# Allegro board C000PD020-3399PRO-DMEB-A-A01.brd (continued)
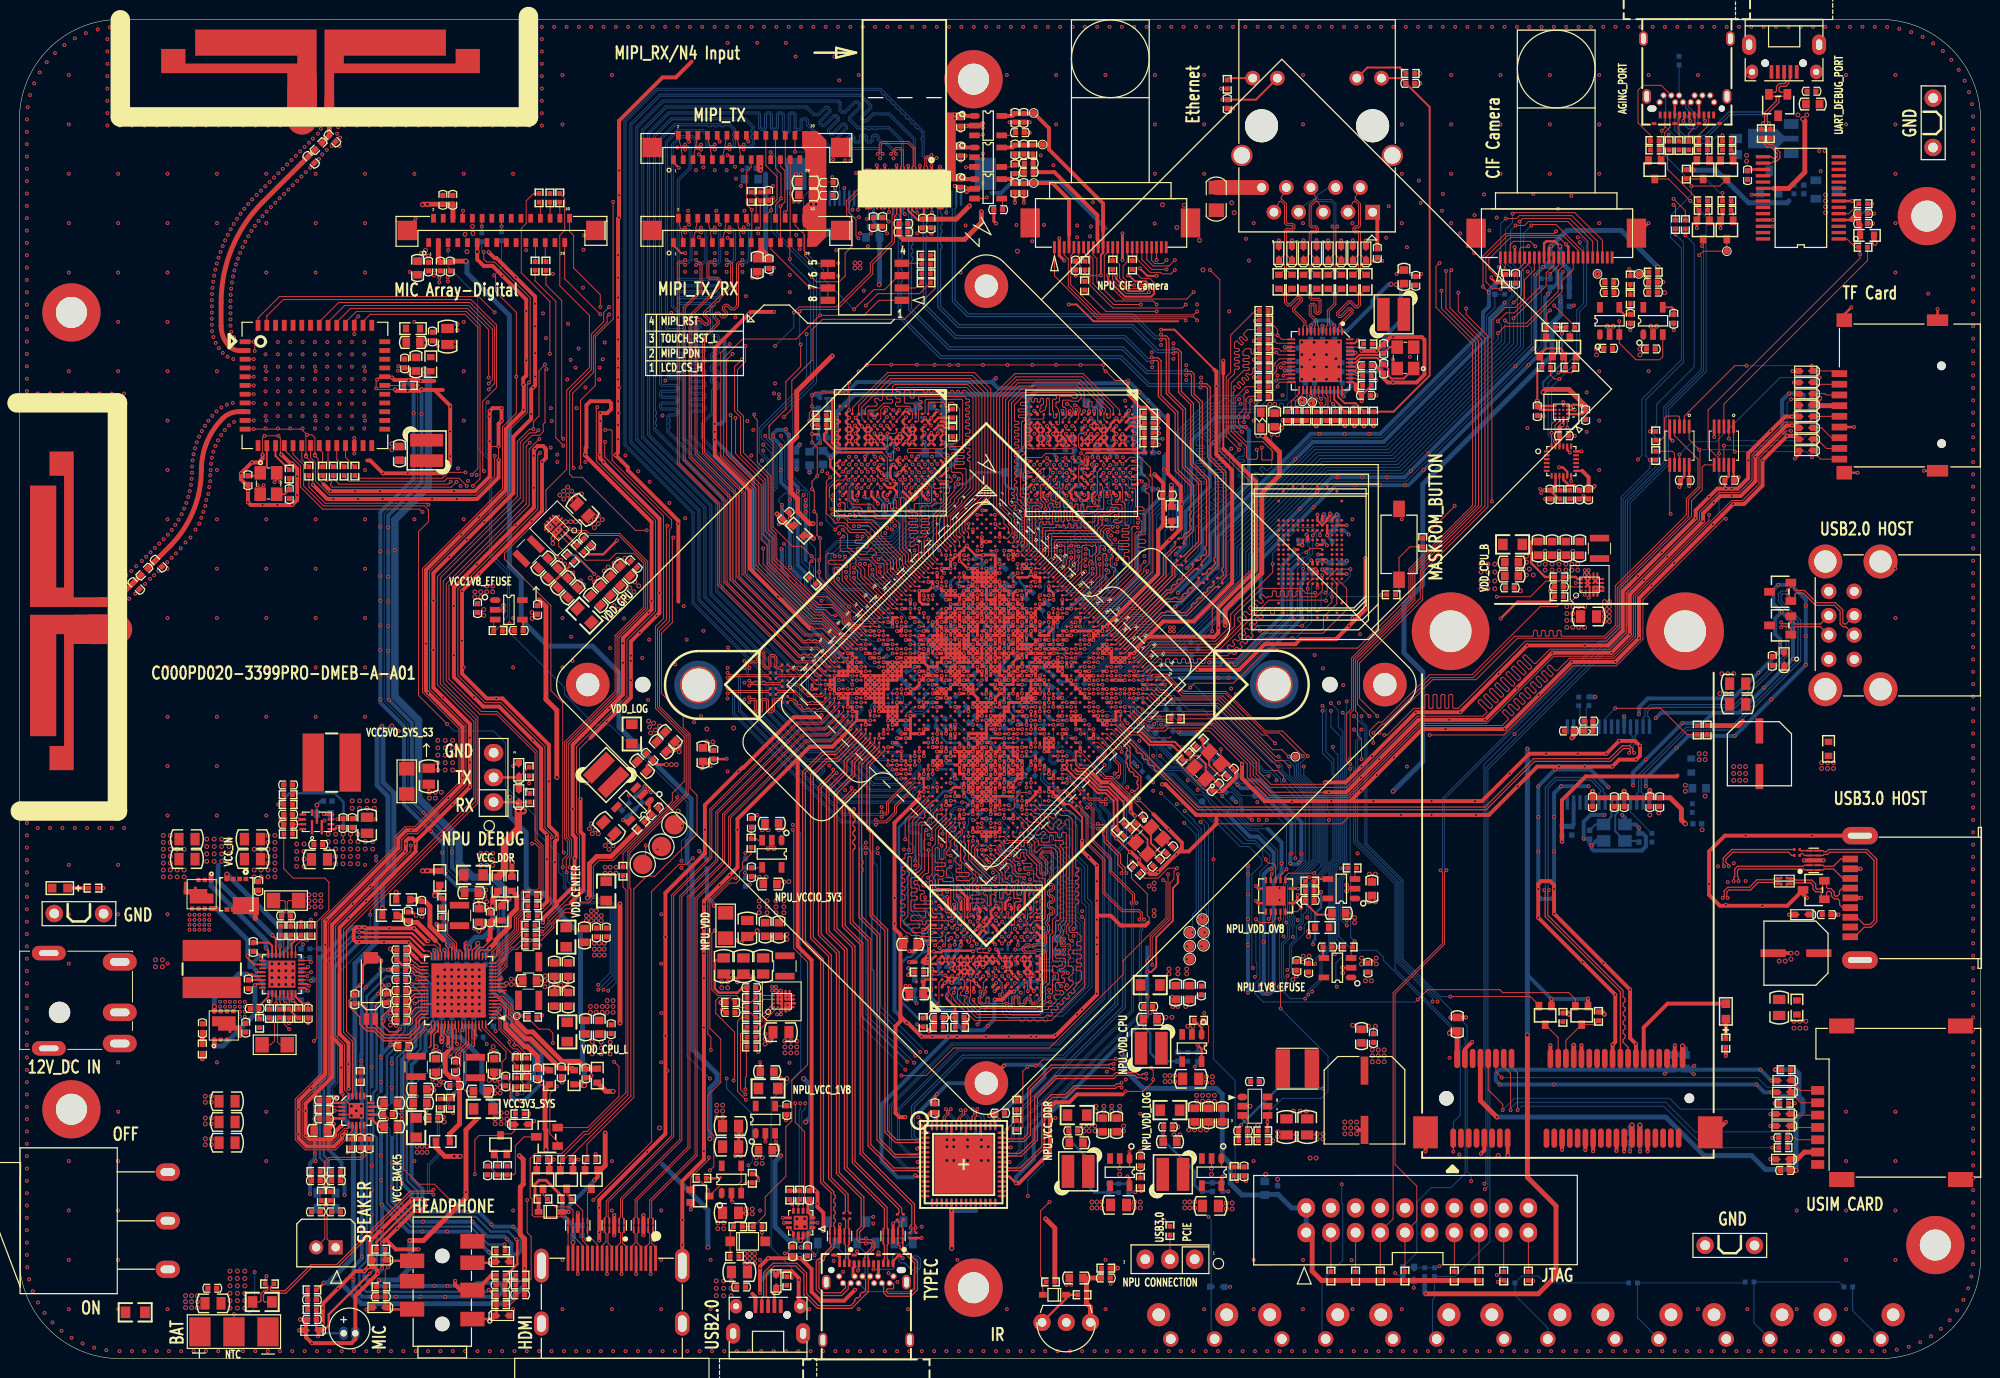
[diagram p0: board, top side]
## Nets (continued)
NPU_TSADC_SHUT_H: D2100.1(A1) U1000.AA31(NPU_TSADC_SHUT_Z)
NPU_UART2_RX: R1308.1 U1000.AK22(NPU_UART2_RX_U)
NPU_UART2_TX: R1307.1 U1000.AJ22(NPU_UART2_TX_U)
NPU_VCC1V8_EFUSE: C1080.1 C9604.1 C9605.1 R1000.1 U1000.AK34(NPU_EFUSE_VQPS) U9601.5(OUT)
NPU_VCC_1V8_P: R2250.1 U2207.5(OUT)
NPU_VCC_1V8_S3: C1072.1 C1115.1 C1116.1 C1118.1 C1120.1 C1303.1 C1417.1 C2257.1 C3108.1 C3109.1 C3110.1 C3111.1 C3112.1 C9926.1 R1123.1 R1130.2 R1131.2 R2250.2 R9822.2 R9823.2 R9825.1 R9830.2 U1000.AF29(NPU_PMUIO1_VDD_1V8) U1000.AF31(NPU_PPLL_AVDD_1V8) U1000.AF32(NPU_OSC_VDD_1V8) U1000.AF33(NPU_USB30/PCIE_VCCA_1V8) U1000.AG27(NPU_VCCIO2) U1000.AG29(NPU_PMUIO2_VDD) U1000.AH31(NPU_PLL_AVDD_1V8) U1000.AK24(NPU_ADC_AVDD_1V8) U1000.AP27(NPU_VCCIO5) U1300.1(VCCB) U1300.9(OE) U3100.A3(VDD1_1) U3100.A4(VDD1_2) U3100.A5(VDD1_3) U3100.A6(VDD1_4) U3100.A10(VDD1_5) U3100.U3(VDD1_6) U3100.U4(VDD1_7) U3100.U5(VDD1_8) U3100.U6(VDD1_9) U3100.U10(VDD1_10)
NPU_VCC_DDR_P: C2229.1 C2230.1 C2231.1 L2204.2 R2215.1 R2219.1
NPU_VCC_DDR_S3: C1226.1 C1227.1 C1228.1 C1229.1 C1230.1 C1231.1 C1232.1 C1233.1 C1234.1 C1235.1 C2232.1 C2233.1 C3100.1 C3101.1 C3102.1 C3103.1 C3104.1 C3105.1 C3106.1 C3107.1 C3113.1 C3114.1 C3119.1 C3120.1 C3121.1 C3122.1 C3123.1 C3124.1 C3125.1 C3126.1 R2215.2 R3102.1 R3103.1 U1000.AM35(NPU_DDR_VDD_1) U1000.AN35(NPU_DDR_VDD_2) U1000.AP29(NPU_DDR_VDD_8) U1000.AP35(NPU_DDR_VDD_3) U1000.AR30(NPU_DDR_VDD_7) U1000.AR32(NPU_DDR_VDD_6) U1000.AR33(NPU_DDR_VDD_5) U1000.AR34(NPU_DDR_VDD_4) U3100.A8(VDD2_20) U3100.A9(VDD2_19) U3100.A11(VDDQ_17) U3100.C12(VDDQ_16) U3100.D4(VDD2_18) U3100.D5(VDD2_17) U3100.D6(VDD2_16) U3100.E8(VDDQ_15) U3100.E12(VDDQ_14) U3100.F2(VDDCA5) U3100.G2(VDDCA4) U3100.G5(VDD2_15) U3100.G12(VDDQ_13) U3100.H3(VDDCA3) U3100.H5(VDD2_14) U3100.H6(VDD2_13) U3100.H8(VDDQ_12) U3100.H9(VDDQ_11) U3100.H11(VDDQ_10) U3100.H12(VDD2_12) U3100.J5(VDD2_11) U3100.J6(VDD2_10) U3100.J9(VDDQ_9) U3100.J10(VDDQ_8) U3100.K5(VDD2_9) U3100.K6(VDD2_8) U3100.K8(VDDQ_7) U3100.K11(VDDQ_6) U3100.K12(VDD2_7) U3100.L2(VDDCA2) U3100.L5(VDD2_6) U3100.L12(VDDQ_5) U3100.M2(VDDCA1) U3100.N8(VDDQ_4) U3100.N12(VDDQ_3) U3100.P4(VDD2_5) U3100.P5(VDD2_4) U3100.P6(VDD2_3) U3100.R12(VDDQ_2) U3100.U8(VDD2_2) U3100.U9(VDD2_1) U3100.U11(VDDQ_1)
NPU_VCCIO_3V3_S3: C1304.1 C1419.1 C2243.1 R1410.2 U1000.AJ25(NPU_VCCIO6) U1000.AK33(NPU_USB20_AVDD_3V3) U2208.5(OUT)
NPU_VDD_0V8: C9943.1 R9829.1 U1000.AJ33(NPU_USB20_AVDD_0V8)
NPU_VDD_0V8_P: C2227.1 C2234.1 R2214.1 R2217.1 U2204.5(FB/OUT)
NPU_VDD_0V8_S3: C1117.1 C1119.1 C1416.1 R2214.2 R9824.1 R9829.2 U1000.AF30(NPU_PMU_VDD_0V8) U1000.AG30(NPU_PPLL_AVDD_0V8) U1000.AG32(NPU_USB30/PCIE_VDDREF_0V8) U1000.AG33(NPU_USB30/PCIE_VCCD_0V8) U1000.AH33(NPU_USB30/PCIE_VCCA_0V8) U1000.AJ31(NPU_PLL_AVDD_0V8)
NPU_VDD_1V8: C1418.1 R9830.1 U1000.AL33(NPU_USB20_AVDD_1V8)
NPU_VDD_CPU_P: C2213.1 C2214.1 C2215.1 L2202.2 R2206.1 R2209.1
NPU_VDD_CPU_S0: C1069.1 C1070.1 C1071.1 C2216.1 C2217.1 R2206.2 U1000.AH30(NPU_CPU_VDD_1) U1000.AJ30(NPU_CPU_VDD_2)
NPU_VDD_FB: C2278.1 R2225.1 U1000.AM28(NPU_CORE_VDD_COM) U2206.A4(VOUT)
NPU_VDD_LOG_P: C2219.1 C2220.1 C2221.1 L2203.2 R2207.1 R2211.1
NPU_VDD_LOG_S3: C1055.1 C1056.1 C1057.1 C1058.1 C2222.1 C2223.1 R2207.2 U1000.AK31(NPU_LOGIC_VDD_3) U1000.AL31(NPU_LOGIC_VDD_2) U1000.AM31(NPU_LOGIC_VDD_4) U1000.AN31(NPU_LOGIC_VDD_1)
NPU_VDD_P: C2238.1 C2249.1 C2250.1 C2278.2 L2205.2 R2222.1 R2225.2
NPU_VDD_S0: C1059.1 C1060.1 C1061.1 C1062.1 C1063.1 C1064.1 C1065.1 C1066.1 C1067.1 C1068.1 C1073.1 C2239.1 R2222.2 U1000.AH27(NPU_CORE_VDD_1) U1000.AJ27(NPU_CORE_VDD_2) U1000.AJ28(NPU_CORE_VDD_6) U1000.AK27(NPU_CORE_VDD_3) U1000.AK28(NPU_CORE_VDD_7) U1000.AL27(NPU_CORE_VDD_4) U1000.AL28(NPU_CORE_VDD_8) U1000.AM27(NPU_CORE_VDD_5)
NPU_VDD_SLEEP_H: R2253.1 U1000.U33(NPU_GPIO0_C6_D)
NPU_VERFO_DDR: R3105.2 R3110.1 U1000.AR29(NPU_DDR_VREFO)
NPU_VREFCA_DDR: C3113.2 C3115.1 C3116.1 R3102.2 R3106.1 R3110.2 U3100.H4(DDR_VREFCA)
NPU_VREFDQ_DDR: C3118.1 R3104.2 R3105.1 U3100.J11(DDR_VREFDQ)
OTG_DM_S1: U2102.48(DA2(P)) U9705.53(DA0(N))
OTG_DM_S2: R1407.2 U9705.3(DC0(N))
OTG_DP_S1: U2102.47(DA2(N)) U9705.54(DA0(P))
OTG_DP_S2: R1406.2 U9705.2(DC0(P))
OTG_ID: ED2600.1 J2601.4(ID) R2614.1
PCIE_DISABLE_3V3_L: J8300.20(W_DISABLE#(I)(3.3V)) Q8301.3(DRAIN) R8304.2
PCIE_DISABLE_L: Q8301.2(SOURCE) U1000.H37(GPIO0_B3_D)
PCIE_PERST_3V3_L: J8300.22(PERST#(I)(3.3V)) Q8300.3(DRAIN) R8302.2
PCIE_PERST_L: Q8300.2(SOURCE) U1000.H38(GPIO0_B2_D)
PCIE_PWREN_H: R8309.1 U1000.D36(GPIO1_D0_D) U8300.4(EN)
PCIE_REF_CLKN: C9932.2 U1000.P37(PCIE_RCLK_100M_N)
PCIE_REF_CLKP: C9931.2 U1000.P36(PCIE_RCLK_100M_P)
PCIE_RX0N: U1000.P39(PCIE_RX0_N) U9705.38(DB1(P))
PCIE_RX0N_S1: U2102.50(DA1(N)) U9705.51(DA1(P))
PCIE_RX0N_S2: C1421.2 U9705.5(DC1(P))
PCIE_RX0P: U1000.P40(PCIE_RX0_P) U9705.37(DB1(N))
PCIE_RX0P_S1: U2102.51(DA1(P)) U9705.50(DA1(N))
PCIE_RX0P_S2: C1420.2 U9705.6(DC1(N))
PCIE_RX1N: C9927.2 U1000.U36(PCIE_RX1_N)
PCIE_RX1P: C9928.2 U1000.U37(PCIE_RX1_P)
PCIE_TX0N: U1000.R37(PCIE_TX0_N) U9705.34(DB2(N))
PCIE_TX0N_S1: U2102.54(DA0(P)) U9705.47(DA2(N))
PCIE_TX0N_S2: C1423.2 U9705.9(DC2(N))
PCIE_TX0P: U1000.R36(PCIE_TX0_P) U9705.35(DB2(P))
PCIE_TX0P_S1: U2102.53(DA0(N)) U9705.48(DA2(P))
PCIE_TX0P_S2: C1422.2 U9705.8(DC2(P))
PCIE_TX1N: C9930.2 U1000.R39(PCIE_TX1_N)
PCIE_TX1P: C9929.2 U1000.R40(PCIE_TX1_P)
PCIE_WAKE_3V3_L: J8300.1(WAKE#(O)(OD)) R8301.2
PCIE_WAKE_L: R8301.1 U1000.K32(GPIO1_C7_D)
PHONE_DET_H: C7002.1 ED7002.1 J7000.5 R7003.2 U1000.L35(GPIO0_B5_D)
PHY_CLKOUT125: R6510.2 U6500.46(CLK125)
PHY_INT: R6527.2 U1000.F23(MAC_RXER/I2C5_SDA/GPIO3_B2_U) U6500.20(INTB)
PHY_PMEB: R6526.2 U1000.E29(MAC_COL/UART3_CTSN/SPDIF_TX/GPI) U6500.33(PMEB)
PHY_RST: C6512.1 U1000.E30(MAC_CRS/UART3_TX/CIF_CLKOUTB/GP) U6500.29(PHYRSTB)
PHY_RXCLK: C6520.1 R6539.1 U6500.19(RXC)
PHY_RXD0: R6529.2 R6535.1 U6500.14(RXD0/SELRGV)
PHY_RXD1: R6524.1 R6525.2 R6536.1 U6500.16(RXD1/TXDLY)
PHY_RXD2: R6518.2 R6519.1 R6537.1 U6500.17(RXD2/AN0)
PHY_RXD3: R6520.1 R6521.2 R6538.1 U6500.18(RXD3/AN1)
PHY_RXDV: R6511.1 R6512.2 R6540.1 U6500.13(RXCTL/PHYAD2)
PHY_TXCLK: U1000.G27(MAC_TXCLK/UART3_RTSN/GPIO3_C1_U) U6500.22(TXC)
PHY_TXD0: R6530.2 U1000.D26(MAC_TXD0/SPI0_RXD/GPIO3_A4_D) U6500.23(TXD0)
PHY_TXD1: R6531.2 U1000.G23(MAC_TXD1/SPI0_TXD/GPIO3_A5_D) U6500.24(TXD1)
PHY_TXD2: R6532.2 U1000.F24(MAC_TXD2/SPI4_RXD/GPIO3_A0_D) U6500.25(TXD2)
PHY_TXD3: R6533.2 U1000.H24(MAC_TXD3/SPI4_TXD/GPIO3_A1_D) U6500.26(TXD3)
PHY_TXEN: TP1800.1 U1000.H23(MAC_TXEN/UART1_RX/GPIO3_B4_U) U6500.27(TXCTL)
PHY_XTAL1: C6500.1 U6500.42(CKXTAL1) Y6500.1(X1)
PHY_XTAL2: C6501.1 U6500.43(CKXTAL2) Y6500.3(X2)
PMIC_INT_L: TP2100.1 U1000.A38(SPI3_CSN0/GPIO1_C2_U) U?.7(INT)
PMIC_SLEEP_H: TP2102.1 U1000.B40(AP_PWROFF/GPIO1_A5_D) U?.49(SLEEP)
PORT_CEC: J8200.13 Q8202.3(DRAIN) U8200.1(IO1) U8200.10(NC_10)
PORT_HPD: J8200.19 R1701.2 U8200.5(IO4) U8200.6(NC_6)
PWRON: C2143.1 ED2101.1 Q9705.3(DRAIN) SW2101.2 U?.52(PWRON)
RECOVERY: Q9703.3(DRAIN) R1501.2 SW1500.2
REFCLK_OUT: C1130.2 U1000.W40(REF_CLKO/GPIO0_A2_D)
REGOUT: L6501.1 U6500.48(REGOUT)
RESET_L: C1100.2 C2142.1 ED2100.1 Q2100.3(DRAIN) Q9706.3(DRAIN) R2128.2 SW2100.2 TP1100.1 U1000.J40(NPOR) U?.67(RESETB)
RREF: R2800.2 U2800.4(RREF)
RSET: R6517.1 U6500.39(RSET)
SBU1: J9702.A8(SBU1) R9714.1
SDIO0_CLK: R6111.2 U1000.AG7(SDIO0_CLKOUT/TEST_CLKOUT1/GPIO2)
SDIO0_CMD: R6110.2 U1000.AF7(SDIO0_CMD/GPIO2_D0_U)
SDIO0_D0: R6106.2 U1000.AD8(SDIO0_D0/SPI5_RXD/GPIO2_C4_U)
SDIO0_D1: R6107.2 U1000.AK6(SDIO0_D1/SPI5_TXD/GPIO2_C5_U)
SDIO0_D2: R6108.2 U1000.AG8(SDIO0_D2/SPI5_CLK/GPIO2_C6_U)
SDIO0_D3: R6109.2 U1000.AE8(SDIO0_D3/SPI5_CSN0/GPIO2_C7_U)
SDIO_CLK: R6111.1 U6100.18(SDIO_DATA_CLK)
SDIO_CMD: R6110.1 U6100.17(SDIO_DATA_CMD)
SDIO_D0: R6106.1 U6100.21(SDIO_DATA_0)
SDIO_D1: R6107.1 U6100.22(SDIO_DATA_1)
SDIO_D2: R6108.1 U6100.20(SDIO_DATA_2)
SDIO_D3: R6109.1 U6100.19(SDIO_DATA_3)
SDMMC0_CLK: R9100.1 U1000.G40(SDMMC0_CLKOUT/MCUJTAG_TCK/GPIO4)
SDMMC0_CMD: ED9104.1 J9100.3(CMD) U1000.H40(SDMMC0_CMD/MCUJTAG_TMS/GPIO4_B5)
SDMMC0_D0: ED9102.1 J9100.7(DATA0) U9702.2(HSD1+)
SDMMC0_D0/UART2_RX: U1000.P32(SDMMC0_D0/UART2A_RX/GPIO4_B0_U) U9702.4(D+)
SDMMC0_D1: ED9101.1 J9100.8(DATA1) U9702.8(HSD1-)
SDMMC0_D1/UART2_TX: U1000.P31(SDMMC0_D1/UART2A_TX/GPIO4_B1_U) U9702.6(D-)
SDMMC0_D2: ED9106.1 J9100.1(DATA2) U9704.2(HSD1+)
SDMMC0_D2/JTAG_TCK: U1000.M34(SDMMC0_D2/APJTAG_TCK/GPIO4_B2_U) U9704.4(D+)
SDMMC0_D3: ED9105.1 J9100.2(CD/DATA3) U9704.8(HSD1-)
SDMMC0_D3/JTAG_TMS: U1000.H39(SDMMC0_D3/APJTAG_TMS/GPIO4_B3_U) U9704.6(D-)
SDMMC0_DET_L: ED9100.1 J9100.9(CD) U1000.M35(SDMMC0_DET/GPIO0_A7_U) U9702.1(S) U9704.1(S)
SDMMC0_VDDPST: C1601.1 U1000.R26(SDMMC0_VDDPST)
SNSN: C2131.2 R2037.2 U?.63(SNSN)
SNSP: BT2000.3(V-) C2131.1 R2035.1 U?.62(SNSP)
SPI1_CLK: TP1304.1 U1000.G36(SPI1_CLK/PMCU_JTAG_TCK/GPIO1_B1) U1300.6(A4)
SPI1_CS0: TP1303.1 U1000.H35(SPI1_CSN0/PMCU_JTAG_TMS/GPIO1_B) U1300.5(A3)
SPI1_RXD: TP1302.1 U1000.F37(SPI1_RXD/UART4_RX/GPIO1_A7_U) U1300.4(A2)
SPI1_TXD: TP1301.1 U1000.B39(SPI1_TXD/UART4_TX/GPIO1_B0_U) U1300.3(A1)
SPK1_N: C7515.2 C7519.2 R7514.2 R7517.2
SPK1_P: C7514.2 C7518.1 R7513.2 R7516.1
SPKN_OUT: C7004.1 FB2100.2 J7001.1 R7514.1
SPKP_OUT: C7006.1 FB2101.2 J7001.2 R7513.1
SW1: L2100.1 U?.12(SW1)
SW2: L2102.1 U?.9(SW2)
SW3: L2103.1 U?.25(SW3)
SW4: L2101.1 U?.65(SW4)
TCK: R9715.1 U9704.3(HSD2+)
TMS: R9717.1 U9704.7(HSD2-)
TOUCH_INT_L: J5000.25(TP_INT) J5100.25(TP_INT) J5101.25(TP_INT) U1000.AK3(UART2C_RX/GPIO4_C3_U)
TOUCH_RST/MIPI_RST: J5101.26(TP_RST/MIPI_RST) S5100.5(B4) S5100.6(B3)
TOUCH_RST_L: J5000.26(TP_RST) J5100.26(TP_RST) S5100.3(A3) U1000.AG6(PWM1/GPIO4_C6_D)
TSADC_INT_H: D2100.2(A2) U1000.E38(TSADC_INT/GPIO1_A6_Z)
TYPEC0_DM: J2600.A7(DM1) J2600.B7(DM2) J2601.2(DM) U1000.AU12(TYPEC0_DN) U2605.2
TYPEC0_DP: J2600.A6(DP1) J2600.B6(DP2) J2601.3(DP) U1000.AT12(TYPEC0_DP) U2605.1
TYPEC0_ID: R2614.2 U1000.AT17(TYPEC0_ID)
TYPEC0_RX1N: J2600.B10(SSRX1_N) U1000.AY11(TYPEC0_RX1M) U2601.5(IO4) U2601.6(NC_6)
TYPEC0_RX1P: J2600.B11(SSRX1_P) U1000.AW11(TYPEC0_RX1P) U2601.4(IO3) U2601.7(NC_7)
TYPEC0_RX2N: J2600.A10(SSRX2_N) U1000.AY13(TYPEC0_RX2M) U2602.5(IO4) U2602.6(NC_6)
TYPEC0_RX2P: J2600.A11(SSRX2_P) U1000.AW13(TYPEC0_RX2P) U2602.4(IO3) U2602.7(NC_7)
TYPEC0_SBU1: C2600.1 U1000.AT11(TYPEC0_AUXP)
TYPEC0_SBU1_DC: R2600.1 U1000.AH17(TYPEC0_AUXP_PD_PU)
TYPEC0_SBU2: C2601.1 U1000.AU11(TYPEC0_AUXM)
TYPEC0_SBU2_DC: R2609.1 U1000.AG17(TYPEC0_AUXM_PU_PD)
TYPEC0_TX1N: C2602.1 U1000.AW12(TYPEC0_TX1M)
TYPEC0_TX1P: C2603.1 U1000.AY12(TYPEC0_TX1P)
TYPEC0_TX2N: C2604.1 U1000.AW14(TYPEC0_TX2M)
TYPEC0_TX2P: C2605.1 U1000.AY14(TYPEC0_TX2P)
TYPEC0_U2VBUSDET: C2609.1 R2612.2 R2613.1 U1000.AR17(TYPEC0_U2VBUSDET)
TYPEC_AUXM: C2601.2 J2600.B8(SBU2) R2607.1 R2609.2 U2604.1
TYPEC_AUXP: C2600.2 J2600.A8(SBU1) R2600.2 R2606.1 U2604.2
TYPEC_CC1: C2606.1 J2600.A5(CC1) U2600.10(CC1_10) U2600.11(CC1_11) U2603.1
TYPEC_CC2: C2607.1 J2600.B5(CC2) U2600.1(CC2_1) U2600.14(CC2_14) U2603.2
TYPEC_CC_INT_L: U1000.D40(ISP0_FLASHTRIGIN/ISP1_FLASHTRIG) U2600.5(INT#)
TYPECTX1N: C2602.2 J2600.A3(SSTX1_N) U2601.1(IO1) U2601.10(NC_10)
TYPECTX1P: C2603.2 J2600.A2(SSTX1_P) U2601.2(IO2) U2601.9(NC_9)
TYPECTX2N: C2604.2 J2600.B3(SSTX2_N) U2602.1(IO1) U2602.10(NC_10)
TYPECTX2P: C2605.2 J2600.B2(SSTX2_P) U2602.2(IO2) U2602.9(NC_9)
U_DM: R9708.1 U9700.16(DM)
U_DP: R9709.1 U9700.15(DP)
UART0_CTS: U1000.AK7(UART0_CTSN/GPIO2_C2_U) U6100.42(UART_RTS_N)
UART0_RTS: U1000.AM6(UART0_RTSN/GPIO2_C3_U) U6100.43(UART_CTS_N)
UART0_RXD: U1000.AE9(UART0_RX/GPIO2_C0_U) U6100.40(UART_TXD)
UART0_TXD: U1000.AJ6(UART0_TX/GPIO2_C1_U) U6100.41(UART_RXD)
UART2_RX_DEBUG: R9700.1 U9702.3(HSD2+)
UART2_TX_DEBUG: R9701.1 U9702.7(HSD2-)
UIM_CLK: ED8302.1 J8300.12(UIM_CLK) J8301.C3(CLK)
UIM_DAT: ED8303.1 J8300.10(UIM_DATA) J8301.C7(I/O) R8306.2
UIM_DET: ED8304.1 J8301.C9(CD) R8307.2
UIM_PWR: C8314.1 ED8300.1 J8300.8(UIM_PWR) J8301.C1(VCC) R8306.1 R8307.1
UIM_RST: ED8301.1 J8300.14(UIM_RESET) J8301.C2(RST)
UIM_VPP: J8300.16(UIM_VPP) R8308.1
USB20_AVDD_0V9: C1430.1 R1422.1 U1000.V24(USB20_AVDD_0V9)
USB20_AVDD_1V8: C1431.1 FB1400.1 U1000.U24(USB20_AVDD_1V8)
USB20_HOST0_DM: U1000.M40(USB20_HOST0_DN) U9705.40(DB0(N))
USB20_HOST0_DP: U1000.M39(USB20_HOST0_DP) U9705.41(DB0(P))
USB20_OTG1_DM: U1000.AU14(USB20_OTG1_DN) U2102.8(DC2(P))
USB20_OTG1_DM_J: ED2501.1 FB2500.2 J2501.2(D-) R2500.2
USB20_OTG1_DM_PORT: FB2500.1 R2500.1 U2102.35(DB2(P))
USB20_OTG1_DP: U1000.AT14(USB20_OTG1_DP) U2102.9(DC2(N))
USB20_OTG1_DP_J: ED2501.2 FB2500.4 J2501.3(D+) R2503.2
USB20_OTG1_DP_PORT: FB2500.3 R2503.1 U2102.34(DB2(N))
USB30_RX1N: U1000.AY15(USB30_RX1M) U2102.6(DC1(N))
USB30_RX1N_PORT: J2501.5(RX-) U2102.37(DB1(N)) U2506.2(IO2) U2506.9(NC_9)
USB30_RX1P: U1000.AW15(USB30_RX1P) U2102.5(DC1(P))
USB30_RX1P_PORT: J2501.6(RX+) U2102.38(DB1(P)) U2506.1(IO1) U2506.10(NC_10)
USB30_TX1N: U1000.AW16(USB30_TX1M) U2102.2(DC0(P))
USB30_TX1N_J: C2506.2 J2501.8(TX-) U2506.4(IO3) U2506.7(NC_7)
USB30_TX1N_PORT: C2506.1 U2102.41(DB0(P))
USB30_TX1P: U1000.AY16(USB30_TX1P) U2102.3(DC0(N))
USB30_TX1P_J: C2507.2 J2501.9(TX+) U2506.5(IO4) U2506.6(NC_6)
USB30_TX1P_PORT: C2507.1 U2102.40(DB0(N))
VREFCA_DDR0: C3643.2 C3649.1 C3650.1 C3651.1 R3606.2 R3610.1 U3601.H4(DDR_VREFCA)
VREFCA_DDR1: C3642.2 C3644.1 C3645.1 C3646.1 R3604.2 R3608.1 U3600.H4(DDR_VREFCA)
VREFDQ_DDR0: C3652.1 C3653.1 R3607.2 R3611.1 U3601.J11(DDR_VREFDQ)
VREFDQ_DDR1: C3647.1 C3648.1 R3605.2 R3609.1 U3600.J11(DDR_VREFDQ)
WIFI_HOST_WAKE_L: U1000.G39(SDIO0_WRPT/GPIO0_A3_D) U6100.16(WL_HOST_WAKE)
WIFI_REG_ON_H: U1000.AD9(SDIO0_PWREN/GPIO2_D3_D) U6100.15(WL_REG_ON)
XTAL_IN: C6106.1 U6100.13(XTAL_OUT) Y6100.1(X1)
XTAL_OUT: C6107.1 R6105.1 Y6100.3(X2)
N16750498: C8315.1 J8301.C6(VPP) R8308.2
N16787548: C8307.1 U8300.1(BS)
N16787550: C8307.2 L8300.1 U8300.6(LX)
N16787562: C8310.2 R8305.2 R8310.1 U8300.3(FB/OUT)
N16840335: LED8300.1(ANODE) R8303.2
N16840488: J8300.42(LED_WWAN#(O)(OD)) LED8300.2(CATHODE)
N16852301: C2005.1 R2001.2
N16852534: C2010.1 R2002.2 U2000.11(EN_BUCK)
N16852678: C2012.1 C2013.1 C2014.1 C2015.1 L1100.2 R2000.1 U2000.5(VOUT)
N16852972: C2009.1 R2003.2 U2000.9(VCC)
N16852986: R2003.1 U2000.3(PG)
N16858859: FB2101.1 U?.32(SPK_OUTP)
N16858863: FB2100.1 U?.34(SPK_OUTN)
N16858865: C2140.2 C2141.2 C2144.1 C2145.1 U?.42(MIC1N) U?.43(MIC1P)
N16876893: R2112.1 R2114.1 U?.27(FB3)
N16877510: R2125.1 U?.16(MCLK)
N16877512: R2126.1 U?.15(BCLK)
N16877514: R2127.1 U?.14(LRCLK)
N16877516: R2130.1 U?.17(SDI)
N16877518: R2131.1 U?.18(SDO/PDMDATA)
N16878059: C2150.1 D2100.3(K) R2160.2 R2161.1
N17170012: J9711.2 R9828.1
N58892362: R3602.1 U3600.B4(DDR_ZQ1)
N58892375: R3600.1 U3600.B3(DDR_ZQ0)
N58896052: R3603.1 U3601.B4(DDR_ZQ1)
N58896059: R3601.1 U3601.B3(DDR_ZQ0)
N65226615: R2803.1 U2800.17(PSELF)
N65226633: R2801.1 U2800.18(PGANG)
N73963763: C3114.2 C3117.1 R3103.2 R3104.1 R3107.1
N74624754: C7003.1 R7007.2 R7008.1
N74679790: C2127.1 U?.46(VREF)
N74679798: C2133.1 U?.51(XOUT) Y2100.2
N74679800: C2130.1 U?.50(XIN) Y2100.1
N74687755: R2117.1 R2118.1 U?.56(BATDIV)
N74763326: C4100.2 U4100.K2(VDDI)
N74993369: ED9103.1 J9100.5(CLK) R9100.2
N75025601: C2139.1 R2122.2 R2124.1 U?.61(VDC)
N75549407: R2121.2 R2123.2 U?.68(CLK32K)
N76964882: J7500.23 R7502.1
N76964913: J7500.12 R7500.1
N76964950: J7500.16 R7501.1
N76965092: J7500.26 R7505.1
N76965117: J7500.25 R7504.1
N76965125: J7500.24 R7503.1
N77104915: R4102.2 R4103.1 SW4100.2
N77157808: C1113.1 C1130.1 R1106.1 U1000.Y40(NPU_OSC_24M_IN) Y1101.1(X1)
N77157812: C1114.1 R1107.1 Y1101.3(X2)
N77157826: R1106.2 R1107.2 U1000.Y39(NPU_OSC_24M_OUT)
N77203466: C9700.1 C9701.1 R9702.2 U9700.4(VDD-232)
N77203798: R9700.2 U9700.1(TXD)
N77203800: R9701.2 U9700.5(RXD)
N77245547: L2104.2 U?.53(SW5)
N77640550: C3127.1 R3108.2 R3109.2
N77675235: C9602.1 U9600.4(BP)
N77909779: R3101.1 U3100.B4(DDR_ZQ1)
N77909781: R3100.1 U3100.B3(DDR_ZQ0)
N78239852: R1204.1 U1000.R7(DDR0_PZQ)
N78245073: R1205.1 U1000.G15(DDR1_PZQ)
N78245833: R1300.1 U1000.J25(EMMC_CALIO)
N78331808: R1207.1 U1000.AK35(NPU_DDR_RZQ)
N78340621: L2200.1 U2200.D3(SW_1) U2200.D4(SW_2) U2200.E3(SW_3) U2200.E4(SW_4)
N78340690: C2206.1 R2201.2 U2200.A2(EN)
N78341282: L2201.1 U2201.D3(SW_1) U2201.D4(SW_2) U2201.E3(SW_3) U2201.E4(SW_4)
N78341328: C2209.1 R2202.2 U2201.A2(EN)
N78348845: C2219.2 R2211.2 R2213.1 U2203.5(FB/OUT)
N78348853: L2203.1 U2203.3(LX)
N78520754: C9606.1 U9601.4(BP)
N78542743: R1700.1 U1000.AF12(MIPI_TX0_REXT)
N78648910: C6503.1 J6500.10(EARTH)
N78648999: J6500.14(Y+) R6509.2
N78649013: J6500.12(G-) R6508.2
N78649429: C6502.1 J6500.1(TCT)
N78670871: C6109.1 R6112.1 U6100.36(VBAT)
N78670883: ANT6101.1(ANT) C6100.2 C6102.1
N78670885: C6100.1 C6101.1 U6100.9(WL_ANT1)
N78670966: R6105.2 U6100.14(XTAL_IN)
N78671038: ANT6103.1(ANT) C6103.2 C6105.1
N78671040: C6103.1 C6104.1 U6100.2(WL/BT_ANT0)
N78671180: L6100.2 U6100.26(VIN_LDO_OUT)
N78671489: C6108.1 L6100.1 U6100.25(VIN_LDO)
N78671515: R6113.2 U6100.31(LPO)
N78716459: C9709.1 Q9700.2(SOURCE) Q9701.2(SOURCE) R9710.1
N78716469: C9709.2 Q9700.1(GATE) Q9701.1(GATE) R9710.2 R9711.1
N78716673: Q9703.1(GATE) R9718.2 R9722.1
N78716737: Q9704.1(GATE) R9719.2 R9725.1
N78716788: Q9705.1(GATE) R9720.2 R9726.1
N78716835: Q9706.1(GATE) R9721.2 R9727.1
N78716960: Q9702.3(DRAIN) R9711.2
N78717505: TP1102.1 U1000.E39(DFTJTAG_TMS)
N78717521: TP1103.1 U1000.F38(DFTJTAG_TRSTN)
N78745709: C9004.1 U9000.10(REGOUT)
N78768142: ED7000.1 J7000.7 R7005.2
N78768144: ED7001.1 J7000.3 R7004.2
N78779583: R4101.2 U4100.U5(RST_N)
N78791697: C1401.1 R1420.1 U1000.V25(PCIE_AVDD_0V9)
N78791703: C1400.1 R1421.1 U1000.W24(PCIE_AVDD_1V8)
N79170231: C9020.1 C9021.1 R9006.2 R9014.1 U9002.3
N79170245: D9000.2(K) R9014.2 U9002.1(IR)
N79268148: R1502.2 R1503.1 SW1501.2
N79268170: R1505.2 R1506.1 SW1503.2
N79268348: R1503.2 R1505.1 SW1502.2
N79268396: R1506.2 SW1504.2
N79558457: R1702.1 U1000.AF15(HDMI_REXT)
N79918845: C4723.1 U4701.4(BP)
N79918959: C4720.1 U4700.4(BP)
N79927266: LED2002.1(ANODE) R2020.2
N79965472: D8901.2(CATHODE) R2611.2 R2612.1
N79970317: C2005.2 L1100.1 U2000.7(SW)
N79970327: R2001.1 U2000.8(BST)
N79985256: C2213.2 R2209.2 R2212.1 U2202.5(FB/OUT)
N79985264: L2202.1 U2202.3(LX)
N79988861: C2227.2 R2217.2 R2221.1 U2204.4(BP)
N79991010: C2229.2 R2219.2 R2220.1 U2205.5(FB/OUT)
N79991018: L2204.1 U2205.3(LX)
N80039782: R4100.1 U1000.C37(EMMC_CLK)
N80160069: C7001.1 R7010.1 R7011.2
N80186436: C7517.1 U7500.14(REFP)
N80186440: C7516.1 U7500.11(REFQ)
N80186446: C7515.1 U7500.10(AINLN)
N80186465: R7511.2 U7500.8(AD1)
N80186469: R7510.2 U7500.17(AD0)
N80186627: C7514.1 U7500.9(AINLP)
N80186629: R7512.2 U7500.2(TDMIN)
N80351704: ED1300.1 J1300.1 R1308.2
N80351708: ED1301.1 J1300.2 R1307.2
N80722532: Q2100.1(GATE) R2160.1
N81273562: R1706.1 U1000.G21(EDP_REXT)
N81278944: R2615.1 U2606.3(OCB)
N81281434: C2045.1 R2044.2
N81281436: C2046.1 R2044.1 U2003.17(COMP2)
N81281452: R2041.2 U2003.5(ENZ_OTG)
N81282096: C2040.1 R2015.2 U2003.2(ACN)
N81282102: C2020.1 R2014.2 U2003.3(ACP)
N81282264: C2021.1 Q2003.2(D1_1) Q2003.3(D1_2) Q2003.4(D1_3) R2011.2 R2015.1 R2040.1
N81282268: C2050.1 R2040.2 U2003.1(VBUS)
N81282310: C2031.1 C2032.1 Q2004.5(DRAIN5) Q2004.6(DRAIN6) Q2004.7(DRAIN7) Q2004.8(DRAIN8) R2019.1 R2022.1
N81282324: Q2004.4(GATE) U2003.21(B\A\T\D\R\V\)
N81282352: R2019.2 U2003.20(SRP)
N81282356: R2026.2 U2003.19(SRN)
N81282388: C2022.1 C2052.2 L2002.1 Q2003.9(S1_D2) U2003.32(SW1)
N81282406: C2052.1 R2042.2
N81282458: R2027.2 R2030.2 U2003.6(ILIM_HIZ)
N81282460: C2033.2 R2023.2 R2027.1 U2003.7(VDDA)
N81282468: Q2003.1(G1) U2003.31(HIDRV1)
N81282486: Q2003.8(G2) U2003.29(LODRV1)
N81282498: Q2002.8(G2) U2003.26(LODRV2)
N81282514: C2026.1 L2002.2 Q2002.9(S1_D2) U2003.23(SW2)
N81282520: Q2002.1(G1) U2003.24(HIDRV2)
N81282560: R2025.1 R2028.1 U2003.18(CELL_BATPRES)
N81282572: C2035.1 U2003.9(IBAT)
N81282576: C2036.1 R2043.1 U2003.8(IADPT)
N81282584: R2031.1 U2003.10(PSYS)
N81282606: C2022.2 U2003.30(BTST1)
N81282608: C2026.2 U2003.25(BTST2)
N81282710: C2048.1 R2045.1 U2003.16(COMP1)
N81282714: C2047.1 R2045.2
N81283562: R2024.1 S2000.3(P3)
N81301243: TP2001.1 U2003.11(P\R\O\C\H\O\T\)
N81405613: C2256.1 U2207.4(BP)
N81406757: C2248.1 U2208.4(BP)
N81410237: L2205.1 U2206.D3(SW_1) U2206.D4(SW_2) U2206.E3(SW_3) U2206.E4(SW_4)
N81410281: R2255.2 U2206.A3(SCL)
N81410283: R2253.2 U2206.A1(VSEL)
N81410285: R2254.2 U2206.B1(SDA)
N81411259: C2271.1 C2273.1 C2274.1 L2208.2 R2251.1 R2270.1
N81411272: C2271.2 R2270.2 R2271.1 U2209.5(FB/OUT)
N81411274: L2208.1 U2209.3(LX)
N81415088: C2277.1 R2272.2 U2209.1(EN)
N81416715: J9702.A10(SSRX2_N) R9720.1
N81416724: J9702.A11(SSRX2_P) R9721.1
N81417035: J9702.B2(SSTX2_P) R9719.1
N81417038: J9702.B3(SSTX2_N) R9718.1
N81417239: J9702.A3(SSTX1_N) R9723.1
N81417242: J9702.A2(SSTX1_P) R9724.1
N81434876: J9710.5(TDI) R9729.2
N81434950: J9710.3(NTRST) R9728.2
N81434997: J9710.13(TDO) R9732.2
N81435084: J9710.15(NSRST) R9733.2
N81435110: J9710.17(DBGRQ) R9734.2
N81435142: J9710.19(DBGACK) R9735.2
N81648017: Q2600.3(DRAIN) R2630.2 U2606.4(EN)
N81930416: C1102.1 R1101.1 U1000.K40(XIN_OSC) Y1100.1(X1)
N81930422: R1101.2 R1102.2 U1000.J39(XOUT_OSC)
N81930426: C1103.2 R1102.1 Y1100.3(X2)
N81931618: R1225.1 U1000.L36(PMUIO2_VOLSEL/GPIO0_B1_D)
N81931666: C1101.1 R1100.1 U1000.F40(TEST_CLKOUT0/CLK32K_IN/GPIO0_A0)
N81933318: R1122.1 U1000.AC32(NPU_CLKIO_32K_Z)
N81965096: TP1404.1 U1000.AH18(TYPEC0_U3VBUSDET)
N81965098: R1402.2 U1000.AD19(TYPEC0_REXT)
N81965158: R1400.1 U1000.N40(USB0_RBIAS)
N81966162: R1401.1 U1000.N39(USB20_OTG1_RBIAS)
N81966552: R1403.1 U1000.AE21(USB30_REXT)
N81967141: R1418.1 U1000.AD34(NPU_USB30/PCIE_RBIAS)
N81967495: TP1407.1 U1000.AC35(NPU_USB20_OTG_ID)
N81967515: R1410.1 U1000.AC34(NPU_USB20_OTG_VBUS)
N81969657: C1700.1 R1708.1 U1000.AB12(MIPI_TX0_AVDD_1V8)
N81970360: R1703.1 U1000.AF14(MIPI_RX0_REXT)
N81970900: C1701.1 R1709.1 U1000.AB14(MIPI_RX0_AVDD_1V8)
N81971328: R1704.1 U1000.AF11(MIPI_TX1/RX1_REXT)
N81971617: C1702.1 R1710.1 U1000.AC10(MIPI_TX1/RX1_AVDD_1V8)
N81973381: R1504.1 U1000.AH1(I2S1_LRCK_TX/GPIO4_A5_D)
N82061596: TP9712.1 U1000.AE26(USB20_OTG1_ID)
N82061606: TP9713.1 U1000.AU17(USB20_OTG1_VBUS)
N82075141: C4823.1 U4801.4(BP)
N82075145: C4820.1 U4800.4(BP)
N82103313: C4846.1 U4817.4(BP)

Pads without a net: J4700 23 24; J4800 23 24; J5000 21; J5100 18; J7000 4 6; J7500 10 14 18 19 20 21 22; J8200 14; J8300 3 5 6 7 11 13 17 19 23 25 28 30 31 32 33 44 45 46 47 48 49 51; J9701 4; J9710 11; U1000 A3 A4 AA19 AA20 AA28 AA30 AB20 AB21 AB22 AB24 AB27 AB30 AB33 AC12 AC14 AC24 AC27 AC30 AC31 AC33 AD11 AD12 AD14 AD15 AD18 AD20 AD24 AD27 AD30 AD32 AD36 AD37 AE18 AE20 AE24 AF19 AF21 AF22 AF23 AF24 AF25 AF28 AF35 AF37 AF39 AF40 AG11 AG12 AG14 AG15 AG18 AG19 AG20 AG21 AG22 AG23 AG24 AG37 AG39 AH11 AH12 AH14 AH15 AH20 AH21 AH23 AH39 AJ4 AJ11 AJ12 AJ14 AJ15 AJ17 AJ18 AJ19 AJ20 AJ23 AJ24 AJ36 AJ40 AK11 AK12 AK14 AK15 AK17 AK18 AK19 AK20 AK37 AL11 AL12 AL14 AL15 AL17 AL18 AL21 AL23 AM11 AM12 AM14 AM15 AM17 AM18 AM20 AM22 AN11 AN12 AN14 AN15 AN17 AN18 AN20 AN39 AN40 AP21 AP26 AP39 AR26 AR27 AR39 AR40 AT15 AT18 AT26 AT27 AU15 AU18 AU26 AU27 AV26 AW17 AW18 AW26 AY17 AY18 AY26 B2 B3 B4 C1 C2 C3 C4 C5 C6 D1 D2 D3 D6 D12 E3 E8 E9 E11 F3 F4 F7 F9 F11 F14 F17 F39 G6 G8 G11 G14 G17 G20 H5 H6 H7 H21 J5 J26 K29 K30 L5 L7 M4 M5 M26 M27 M28 M29 M30 M31 M32 M33 N26 N27 N29 N30 N33 R27 R32 R33 T30 T39 T40 U6 U7 U25 U31 U39 U40 V6 V7 V31 V33 V34 V36 V37 V39 V40 W33 Y26; U1300 7 10; U2000 4 12; U2003 15; U2102 11 12 13 14 15 16 17 18 20 21 22 23 24 25 26 27 28 29 30 31 32 42 44 45; U2800 11 12 14 19 20 22 23; U3100 A1 A2 A12 A13 B1 B13 C4 K9 R3 T1 T13 U1 U2 U12 U13; U3600 A1 A2 A12 A13 B1 B13 C4 K9 R3 T1 T13 U1 U2 U12 U13; U3601 A1 A2 A12 A13 B1 B13 C4 K9 R3 T1 T13 U1 U2 U12 U13; U4100 A4 A6 A9 A11 AA1 AA2 AA7 AA8 AA9 AA10 AA11 AA12 AA13 AA14 AE1 AE14 AG2 AG13 AH4 AH6 AH9 AH11 B2 B13 D1 D14 H2 H7 H8 H9 H10 H11 H12 H13 H14 J1 J7 J8 J9 J10 J11 J12 J13 J14 K1 K3 K7 K8 K9 K10 K11 K12 K13 K14 L1 L2 L3 L4 L12 L13 L14 M1 M2 M3 M5 M8 M9 M10 M12 M13 M14 N1 N2 N3 N10 N12 N13 N14 P1 P2 P3 P10 P12 P13 P14 R1 R2 R3 R12 R13 R14 T1 T2 T3 T12 T13 T14 U1 U2 U3 U6 U7 U10 U12 U13 U14 V1 V2 V3 V12 V13 V14 W1 W2 W3 W7 W8 W9 W10 W11 W12 W13 W14 Y1 Y3 Y6 Y7 Y8 Y9 Y10 Y11 Y12 Y13 Y14; U6100 12 24 27 28 29 30 33 35 37 44 45 46 47 48; U6500 12; U7500 15 16; U9000 1 2 3 4 5 6 7 14 15 16 17 19 21; U9001 B3 B4 C2 C3; U9700 2 3 6 8 9 10 11 12 13 14 19 22 23 24 27 28; U9705 11 12 13 14 15 16 17 18 20 21 22 23 24 25 26 27 28 29 30 31 32 42 44 45; U? 19

## Via types
v1: diameter 0.399, hole 0.201, TOP to BOTTOM, 4456 vias
v2: diameter 0.5, hole 0.3, TOP to BOTTOM, 942 vias

## Routing (per net, layer and track width the routed paths; a pad name or vN(x,y) marks a point on that pad's centre or on a via; arc(x,y) is an arc through that point)
AVDD0V9_DDR0PLL: length 19.7
  TOP w0.305: U1000.R8 v1(96.73,77.63)
  TOP w0.508: R1202.2 81.41,84.69 v1(81.71,84.39)
  POWER2 w0.254: v1(81.71,84.39) 82.42,83.68 89.13,83.68 93.8,79 94.62,79 95.05,78.57 95.79,78.57 v1(96.73,77.63)
  BOTTOM w0.254: v1(96.73,77.63) 96.69,77.67 96.69,77.92
AVDD0V9_DDR1PLL: length 20
  TOP w0.305: v1(102.71,79) 102.55,79 102.25,78.7 U1000.H14
  TOP w0.508: R1203.2 v1(118.59,85.41)
  POWER2 w0.254: v1(118.59,85.41) 118.08,84.9 116.56,84.9 114.73,83.07 114.73,81.34 113.51,80.12 107.72,80.12 107.62,80.22 105.08,80.22 104.98,80.33 104.38,80.33 104.38,80.33 104.27,80.33
  BOTTOM w0.254: C1225.1 102.74,79.04 v1(102.71,79)
